# Altium PCB PCB-Relay-Board-V1.PcbDoc (part 4 of 5)
Units mil, origin at the board's own origin, x right, y up, seen from the top; angles counter-clockwise.
Board outline 6496.06 x 5078.74 mil, 8 copper layers (Top Layer, Inner1, Inner2, Inner3, Inner4, Inner5, Inner6, Bottom Layer), stack 59.685 mil thick; 429 components, 373 nets, 1663 pads, 713 vias.
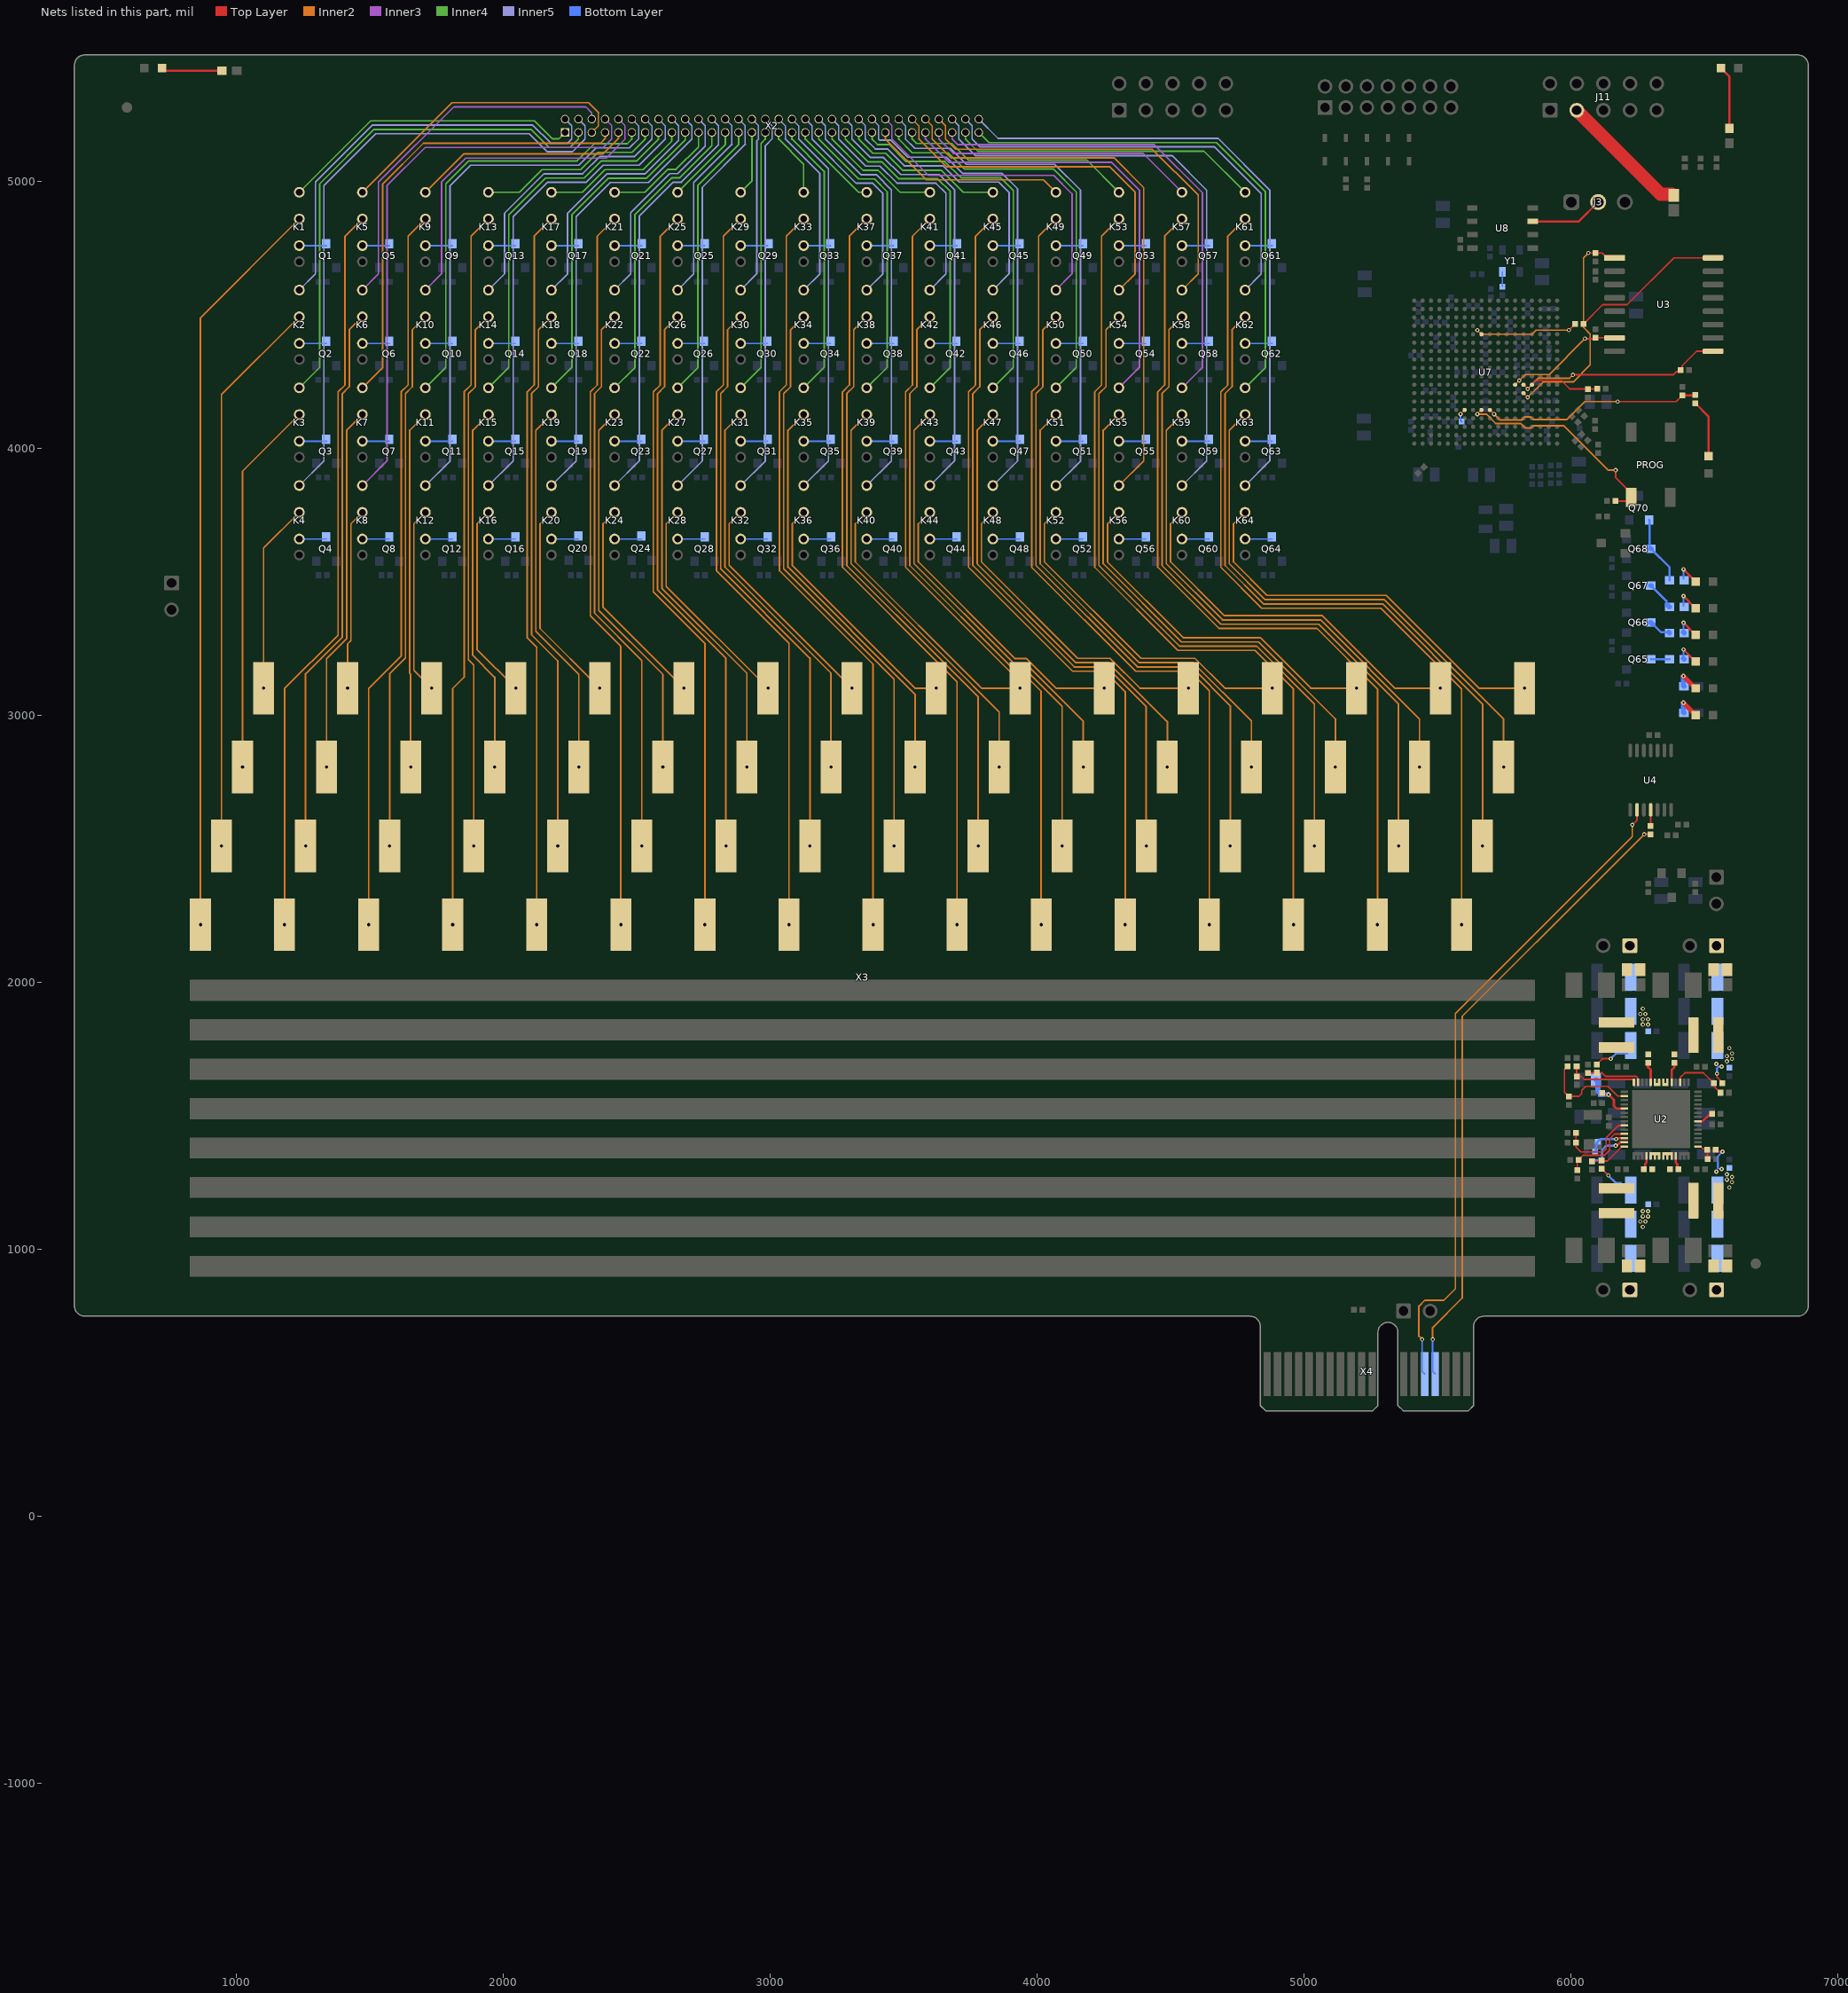
[diagram p10: the nets of this part, all layers, seen from the top]

## Via types
v1: diameter 15.75, hole 7.87, Top Layer to Bottom Layer, 631 vias
v2: diameter 27.56, hole 11.81, Top Layer to Bottom Layer, 82 vias

## Nets (pads, with @x,y where several pads share a name; then routed paths per layer and width w, separated by ;. In a path a pad name is that pad's centre, name@x,y a point inside that pad or via, vN(x,y) a via of type N, cw(c..) or ccw(c..) an arc to the next point about the centre after c; other vN are vias at no path point) (continued)
MISO_1: R102.1 X4.A15 | length 2378
  Top Layer w6: v1(6275.27,2553.15) R102.1@6299.21,2553.15
  Inner2 w6: v1(5482.42,661.25) 5482.42,705.52 5592.96,816.06 5592.96,1870.84 6147.48,2425.36 v1(6275.27,2553.15)
  Bottom Layer w6: v1(5482.42,661.25) 5482.42,541.2 X4.A15@5492.13,531.5
MOSI_1: U4.9 X4.A14 | length 2502.4
  Top Layer w6: v1(6230.31,2588.58) 6248.03,2606.3 U4.9@6248.03,2644.69
  Inner2 w6: v1(5443.05,661.25) 5430.95,673.36 5430.95,785.8 5452.84,807.7 5524.11,807.7 5567.44,851.02 5567.44,1881.41 6129.43,2443.4 6230.31,2544.28 v1(6230.31,2588.58)
  Bottom Layer w6: v1(5443.05,661.25) 5443.05,541.2 X4.A14@5452.76,531.5
NetC5_1: C5.1 U2.38 | length 67.1
  Top Layer w8.66: C5.1@6289.37,1687.01 6289.37,1681.11 6299.21,1671.26 U2.38@6299.21,1624.02
NetC5_2: C5.2 L2.1 U2.36
NetC11_1: C11.1 C12.1 C13.1 C14.1 J1.1 J2.1 L2.2 R44.2 TP1.1 | length 133.9
  Top Layer w6: R44.2@6103.99,1698.16 6118.42,1712.6 v1(6149.77,1712.6)
  Top Layer w8: R44.2@6094.89,1689.06 6094.89,1689.29 6103.76,1698.16 R44.2@6103.99,1698.16
  Bottom Layer w8: v1(6149.77,1712.6) 6169.45,1732.28 C14.1@6210.79,1732.28
  other v1: 6269.69,1840.55 6289.37,1840.55 6269.69,1860.24 6289.37,1860.24 6259.84,1879.92 6279.53,1879.92 6269.69,1899.61
NetC19_1: C19.1 U2.33 | length 67.1
  Top Layer w8.66: U2.33@6377.95,1624.02 6377.95,1670.28 6387.8,1680.12 C19.1@6387.8,1687.01
NetC19_2: C19.2 L3.1 U2.34
NetC23_1: C23.1 C24.1 C25.1 C26.1 J4.1 J5.1 L3.2 R71.2 TP2.1 | length 71.8
  Top Layer w6: v1(6547.5,1656.57) 6547.5,1644.72 R71.2@6568.94,1623.29
  Bottom Layer w8: v1(6547.5,1656.57) 6547.5,1675.46 6555.12,1683.07
  other v1: 6564.96,1683.07 6545.28,1692.91 6584.65,1702.76 6604.33,1712.6 6584.65,1722.44 6604.33,1732.28 6594.49,1751.97
NetC30_1: C30.1 C31.1 R72.1 U2.47 | length 211.5
  Top Layer w8.66: C31.1@6118.11,1584.65 6124.58,1578.18 v1(6141.6,1578.18) 6161.42,1558.37 6161.42,1535.43 6171.26,1525.59 U2.47@6200.79,1525.59
  Bottom Layer w16: R72.1@6112.2,1580.71 6114.73,1578.18 v1(6141.6,1578.18)
  Bottom Layer w20: C30.1@6094.49,1633.86 6101.58,1626.76 6101.58,1591.33 R72.1@6112.2,1580.71
NetC33_1: C33.1 U2.21 | length 64.6
  Top Layer w8.66: U2.21@6476.38,1478.35 6493.4,1478.35 6514.46,1499.41 6523.03,1499.41 C33.1@6529.53,1505.91
NetC34_1: C34.1 U2.11 | length 53.3
  Top Layer w8.66: U2.11@6393.7,1348.43 6393.7,1322.83 6399.08,1317.45 6399.08,1303.67 C34.1@6403.54,1299.21
NetC34_2: C34.2 L4.1 U2.8
NetC38_1: C38.1 C39.1 C40.1 C41.1 J6.1 J7.1 L4.2 R80.2 TP3.1 | length 119
  Top Layer w6: R80.2@6542.68,1368.3 R80.2@6546.61,1364.37 ; R80.2@6542.71,1372.01 6550.35,1364.37 v1(6568.25,1364.37)
  Bottom Layer w6: 6550.3,1303.45 6553.82,1299.93 6564.24,1299.93 v1(6564.96,1299.21) ; 6550.3,1323.92 6550.3,1346.42 v1(6568.25,1364.37)
  Bottom Layer w8: 6550.3,1303.45 6550.3,1323.92
  other v1: 6594.49,1230.31 6604.33,1250 6584.65,1259.84 6604.33,1269.68 6584.65,1279.53 6545.28,1289.37
NetC43_1: C43.1 U2.4 | length 53.3
  Top Layer w8.66: C43.1@6273.62,1299.21 6278.08,1303.67 6278.08,1317.45 6283.46,1322.83 U2.4@6283.46,1348.43
NetC43_2: C43.2 L5.1 U2.5
NetC47_1: C47.1 R86.2 U2.54 | length 144.2
  Top Layer w8: v1(6169.57,1411.1) 6169.57,1414.1 6170.82,1415.35 U2.54@6200.79,1415.35
  Bottom Layer w8: C47.1@6100.02,1400.85 6110.28,1411.1 v1(6169.57,1411.1)
  Bottom Layer w10: R86.2@6090.76,1364.83 6095.42,1369.5 6095.42,1395.02 6096.75,1396.35 C47.1@6098.43,1396.35
NetC48_1: C48.1 R87.2 U2.55 | length 167.6
  Top Layer w8: v1(6167.99,1387.06) 6167.99,1384.03 6168.54,1383.48 6184.33,1399.28 6200.46,1399.28 U2.55@6200.79,1399.61
  Bottom Layer w8: C48.1@6117.47,1334.6 6117.47,1371.38 6133.15,1387.06 v1(6167.99,1387.06)
  Bottom Layer w10: R87.2@6082.1,1329.66 6083.09,1330.65 C48.1@6112.76,1330.65
NetC49_1: C49.1 C50.1 C51.1 C52.1 J8.1 J9.1 L5.2 R85.2 TP4.1 | length 93.3
  Top Layer w6: R85.2@6116.06,1299.61 v1(6140.26,1275.41)
  Bottom Layer w8: v1(6140.26,1275.41) 6167.65,1248.01 6187.95,1248.01
  other v1: 6269.69,1082.68 6259.84,1102.36 6279.53,1102.36 6269.69,1122.05 6289.37,1122.05 6269.69,1141.73 6289.37,1141.73
NetD1_2: D1.2 R92.2 | length 102.4
  Top Layer w8: v1(6422.05,3245.47) D1.2@6467.52,3200
  Bottom Layer w8: R92.2@6422.05,3211.81 v1(6422.05,3245.47)
  Bottom Layer w18.5: R92.2@6422.05,3211.81 R92.2@6425.2,3208.66
NetD2_2: D2.2 R93.2 | length 104
  Top Layer w8: v1(6422.05,3345.47) D2.2@6467.52,3300
  Bottom Layer w8: R93.2@6422.05,3310.24 v1(6422.05,3345.47)
  Bottom Layer w18.5: R93.2@6422.05,3310.24 R93.2@6425.2,3307.09
NetD3_2: D3.2 R94.2 | length 99.5
  Top Layer w8: v1(6422.05,3445.47) D3.2@6467.52,3400
  Bottom Layer w8: R94.2@6422.05,3410.24 v1(6422.05,3445.47)
NetD4_2: D4.2 R95.2 | length 99.5
  Top Layer w8: v1(6422.05,3545.47) D4.2@6467.52,3500
  Bottom Layer w8: R95.2@6422.05,3510.24 v1(6422.05,3545.47)
NetD5_1: D5.1 R103.1 | length 239.8
  Top Layer w8: D5.1@6562.01,5423.23 6594.49,5390.75 R103.1@6594.49,5196.85
NetD6_1: D6.1 R104.1 | length 225.4
  Top Layer w8: D6.1@721.46,5413.39 R104.1@946.85,5413.39
NetD12_2: D12.2 R125.2 | length 102.6
  Top Layer w18.5: v1(6422.05,3145.47) D12.2@6467.52,3100
  Bottom Layer w18.5: v1(6422.05,3145.47) 6422.05,3109.82 R125.2@6423.93,3107.93
NetD13_2: D13.2 R126.2 | length 102.4
  Top Layer w18.5: v1(6422.05,3045.47) D13.2@6467.52,3000
  Bottom Layer w18.5: v1(6422.05,3045.47) 6422.05,3010.03 R126.2@6423.93,3008.14
NetDONE_1: DONE.1 R108.2 | length 218.2
  Top Layer w8: R108.2@6466.54,4167.32 6515.75,4118.11 DONE.1@6515.75,3969.49
NetJ3_2: J3.2 U8.3 | length 275.4
  Top Layer w8: U8.3@5857.08,4848.65 6029.76,4848.65 J3.2@6102.36,4921.26
NetJ11_3: J11.3 J12.2 | length 487.3
  Top Layer w50: J11.3@6022.05,5264.96 6336.49,4950.52 J12.2@6379.12,4950.52
NetK1_2: K1.2 Q1.3 | length 101
  Bottom Layer w6: K1.2@1236.28,4757.87 Q1.3@1337.25,4757.87
NetK1_3: K1.3 X3.1 | length 2796.6
  Inner2 w6: v2(866.14,2214.57) 866.14,4487.73 K1.3@1236.28,4857.87
NetK1_4: K1.4 X2.1 | length 1144.5
  Inner4 w6: K1.4@1236.28,4957.87 1503.57,5225.17 2117.35,5225.17 2184.89,5157.63 2207.89,5157.63 X2.1@2232.06,5181.8
NetK2_2: K2.2 Q2.3 | length 101
  Bottom Layer w6: K2.2@1236.28,4391.65 Q2.3@1337.25,4391.65
NetK2_3: K2.3 X3.2 | length 2102.5
  Inner2 w6: v2(944.88,2509.84) 944.88,4200.25 K2.3@1236.28,4491.65
NetK2_4: K2.4 X2.2 | length 1597.2
  Inner5 w5: X2.2@2232.06,5231.8 2257.06,5206.8 2257.06,5157.29
  Inner5 w6: K2.4@1236.28,4591.65 1296.76,4652.13 1296.76,4995.72 1510.2,5209.17 2110.73,5209.17 2178.26,5141.63 2241.4,5141.63 2257.06,5157.29
NetK3_2: K3.2 Q3.3 | length 101
  Bottom Layer w6: K3.2@1236.28,4025.43 Q3.3@1337.25,4025.43
NetK3_3: K3.3 X3.3 | length 1408.4
  Inner2 w6: v2(1023.62,2805.12) 1023.62,3912.77 K3.3@1236.28,4125.43
NetK3_4: K3.4 X2.3 | length 1915
  Inner4 w6: K3.4@1236.28,4225.43 1312.76,4301.91 1312.76,4989.09 1516.83,5193.17 2104.1,5193.17 2171.63,5125.63 2250.85,5125.63 2282.06,5156.84 X2.3@2282.06,5181.8
NetK4_2: K4.2 Q4.3 | length 101
  Bottom Layer w6: K4.2@1236.28,3659.21 Q4.3@1337.25,3659.21
NetK4_3: K4.3 X3.4 | length 714.3
  Inner2 w6: v2(1102.36,3100.39) 1102.36,3625.29 K4.3@1236.28,3759.21
NetK4_4: K4.4 X2.4 | length 2353.1
  Inner5 w5: X2.4@2282.06,5231.8 2307.06,5206.8 2307.06,5157.29
  Inner5 w6: K4.4@1236.28,3859.21 1328.76,3951.69 1328.76,4982.47 1523.46,5177.17 2097.47,5177.17 2165.01,5109.63 2259.4,5109.63 2307.06,5157.29
NetK5_2: K5.2 Q5.3 | length 101
  Bottom Layer w6: K5.2@1472.5,4757.87 Q5.3@1573.47,4757.87
NetK5_3: K5.3 X3.5 | length 2764
  Inner2 w6: v2(1181.1,2214.57) 1181.1,3098.5 1381.59,3298.99 1381.59,4210.04 1407.67,4236.12 1407.67,4793.04 K5.3@1472.5,4857.87
NetK5_4: K5.4 X2.5 | length 1124.1
  Inner2 w5: X2.5@2332.06,5181.8 2357.06,5206.8 2357.06,5256.31
  Inner2 w6: K5.4@1472.5,4957.87 1808.42,5293.79 2319.59,5293.79 2357.06,5256.31
NetK6_2: K6.2 Q6.3 | length 101
  Bottom Layer w6: K6.2@1472.5,4391.65 Q6.3@1573.47,4391.65
NetK6_3: K6.3 X3.6 | length 2069.9
  Inner2 w6: v2(1259.84,2509.84) 1259.84,3154.61 1397.59,3292.36 1397.59,4203.41 1423.67,4229.49 1423.67,4442.82 K6.3@1472.5,4491.65
NetK6_4: K6.4 X2.6 | length 1377.9
  Inner3 w6: K6.4@1472.5,4591.65 1532.98,4652.13 1532.98,4995.72 1815.04,5277.79 2309.72,5277.79 2332.06,5255.45 X2.6@2332.06,5231.8
NetK7_2: K7.2 Q7.3 | length 101
  Bottom Layer w6: K7.2@1472.5,4025.43 Q7.3@1573.47,4025.43
NetK7_3: K7.3 X3.7 | length 1375.8
  Inner2 w6: v2(1338.58,2805.12) 1338.58,3210.73 1413.59,3285.73 1413.59,4066.52 K7.3@1472.5,4125.43
NetK7_4: K7.4 X2.7 | length 1721.5
  Inner2 w6: K7.4@1472.5,4225.43 1548.98,4301.91 1548.98,4989.09 1701.33,5141.44 2364.39,5141.44 2382.06,5159.12 X2.7@2382.06,5181.8
NetK8_2: K8.2 Q8.3 | length 101
  Bottom Layer w6: K8.2@1472.5,3659.21 Q8.3@1573.47,3659.21
NetK8_3: K8.3 X3.8 | length 681.7
  Inner2 w6: v2(1417.32,3100.39) 1417.32,3266.84 1429.59,3279.11 1429.59,3716.3 K8.3@1472.5,3759.21
NetK8_4: K8.4 X2.8 | length 2160.9
  Inner3 w5: X2.8@2382.06,5231.8 2407.06,5206.8 2407.06,5157.29
  Inner3 w6: K8.4@1472.5,3859.21 1564.98,3951.69 1564.98,4982.47 1707.95,5125.44 2375.21,5125.44 2407.06,5157.29
NetK9_2: K9.2 Q9.3 | length 101
  Bottom Layer w6: K9.2@1708.72,4757.87 Q9.3@1809.69,4757.87
NetK9_3: K9.3 X3.9 | length 2731.4
  Inner2 w6: v2(1496.06,2214.57) 1496.06,3098.5 1617.81,3220.25 1617.81,4210.04 1643.89,4236.12 1643.89,4793.04 K9.3@1708.72,4857.87
NetK9_4: K9.4 X2.9 | length 829.4
  Inner2 w6: K9.4@1708.72,4957.87 1852.96,5102.11 2375.05,5102.11 2432.06,5159.12 X2.9@2432.06,5181.8
NetK10_2: K10.2 Q10.3 | length 101
  Bottom Layer w6: K10.2@1708.72,4391.65 Q10.3@1809.69,4391.65
NetK10_3: K10.3 X3.10 | length 2037.3
  Inner2 w6: v2(1574.8,2509.84) 1574.8,3154.61 1633.81,3213.62 1633.81,4203.41 1659.89,4229.49 1659.89,4442.82 K10.3@1708.72,4491.65
NetK10_4: K10.4 X2.10 | length 1268.8
  Inner3 w5: X2.10@2432.06,5231.8 2457.06,5206.8 2457.06,5157.29
  Inner3 w6: K10.4@1708.72,4591.65 1769.2,4652.13 1769.2,4995.72 1859.58,5086.11 2385.88,5086.11 2457.06,5157.29
NetK11_2: K11.2 Q11.3 | length 101
  Bottom Layer w6: K11.2@1708.72,4025.43 Q11.3@1809.69,4025.43
NetK11_3: K11.3 X3.11 | length 1346.3
  Inner2 w6: v2(1653.54,2805.12) 1653.54,3153.07 1649.81,3156.81 1649.81,4066.52 K11.3@1708.72,4125.43
NetK11_4: K11.4 X2.11 | length 1586.6
  Inner4 w6: K11.4@1708.72,4225.43 1785.2,4301.91 1785.2,4989.09 1871.65,5075.55 2277.33,5075.55 2341.52,5139.74 2464.96,5139.74 2482.06,5156.84 X2.11@2482.06,5181.8
NetK12_2: K12.2 Q12.3 | length 101
  Bottom Layer w6: K12.2@1708.72,3659.21 Q12.3@1809.69,3659.21
NetK12_3: K12.3 X3.12 | length 704.1
  Inner2 w6: K12.3@1708.72,3759.21 1665.81,3716.3 1665.81,3166.87 v2(1732.28,3100.39)
NetK12_4: K12.4 X2.12 | length 2109.6
  Inner5 w5: 2507.06,5206.8 2507.06,5157.29 2507.06,5206.8 ; 2507.06,5206.8 X2.12@2482.06,5231.8 2507.06,5206.8
  Inner5 w6: K12.4@1708.72,3859.21 1801.2,3951.69 1801.2,4982.47 1878.28,5059.55 2283.96,5059.55 2348.15,5123.74 2473.52,5123.74 2507.06,5157.29
NetK13_2: K13.2 Q13.3 | length 101
  Bottom Layer w6: K13.2@1944.94,4757.87 Q13.3@2045.91,4757.87
NetK13_3: K13.3 X3.13 | length 2698.8
  Inner2 w6: v2(1811.02,2214.57) 1811.02,3098.5 1854.03,3141.51 1854.03,4210.04 1880.11,4236.12 1880.11,4793.04 K13.3@1944.94,4857.87
NetK13_4: K13.4 X2.13 | length 694.5
  Inner4 w6: K13.4@1944.94,4957.87 2060.7,4957.87 2145.73,5042.9 2290.61,5042.9 2355.05,5107.35 2482.57,5107.35 2532.06,5156.84 X2.13@2532.06,5181.8
NetK14_2: K14.2 Q14.3 | length 101
  Bottom Layer w6: K14.2@1944.94,4391.65 Q14.3@2045.91,4391.65
NetK14_3: K14.3 X3.14 | length 2021
  Inner2 w6: v2(1889.76,2509.84) 1889.76,3186.96 1870.03,3206.69 1870.03,4203.41 1896.11,4229.49 1896.11,4442.82 K14.3@1944.94,4491.65
NetK14_4: K14.4 X2.14 | length 1100.1
  Inner5 w5: 2557.06,5157.29 2557.06,5206.8 ; 2557.06,5206.8 X2.14@2532.06,5231.8 2557.06,5206.8
  Inner5 w6: K14.4@1944.94,4591.65 2005.42,4652.13 2005.42,4879.96 2152.35,5026.9 2297.23,5026.9 2361.68,5091.35 2491.12,5091.35 2557.06,5157.29
NetK15_2: K15.2 Q15.3 | length 101
  Bottom Layer w6: K15.2@1944.94,4025.43 Q15.3@2045.91,4025.43
NetK15_3: K15.3 X3.15 | length 1378.9
  Inner2 w6: K15.3@1944.94,4125.43 1886.03,4066.52 1886.03,3223.55 1968.5,3141.08 v2(1968.5,2805.12)
NetK15_4: K15.4 X2.15 | length 1382.6
  Inner4 w6: K15.4@1944.94,4225.43 2021.42,4301.91 2021.42,4873.34 2158.98,5010.9 2303.86,5010.9 2368.31,5075.35 2500.57,5075.35 2582.06,5156.84 X2.15@2582.06,5181.8
NetK16_2: K16.2 Q16.3 | length 101
  Bottom Layer w6: K16.2@1944.94,3659.21 Q16.3@2045.91,3659.21
NetK16_3: K16.3 X3.16 | length 736.7
  Inner2 w6: K16.3@1944.94,3759.21 1902.03,3716.3 1902.03,3245.61 v2(2047.24,3100.39)
NetK16_4: K16.4 X2.16 | length 1905.5
  Inner5 w5: 2607.06,5206.8 2607.06,5157.29 2607.06,5206.8 ; 2607.06,5206.8 X2.16@2582.06,5231.8 2607.06,5206.8
  Inner5 w6: K16.4@1944.94,3859.21 2037.42,3951.69 2037.42,4866.71 2165.61,4994.9 2310.49,4994.9 2374.94,5059.35 2509.12,5059.35 2607.06,5157.29
NetK17_2: K17.2 Q17.3 | length 101
  Bottom Layer w6: K17.2@2181.17,4757.87 Q17.3@2282.13,4757.87
NetK17_3: K17.3 X3.17 | length 2695.8
  Inner2 w6: v2(2125.98,2214.57) 2125.98,3253.27 2090.25,3289.01 2090.25,4210.04 2116.33,4236.12 2116.33,4793.04 K17.3@2181.17,4857.87
NetK17_4: K17.4 X2.17 | length 562.3
  Inner4 w6: K17.4@2181.17,4957.87 2296.92,4957.87 2381.49,5042.45 2524.62,5042.45 2632.06,5149.89 X2.17@2632.06,5181.8
NetK18_2: K18.2 Q18.3 | length 101
  Bottom Layer w6: K18.2@2181.17,4391.65 Q18.3@2282.13,4391.65
NetK18_3: K18.3 X3.18 | length 2053.6
  Inner2 w6: K18.3@2181.17,4491.65 2132.33,4442.82 2132.33,4229.49 2106.25,4203.41 2106.25,3300.98 2204.72,3202.51 v2(2204.72,2509.84)
NetK18_4: K18.4 X2.18 | length 931.5
  Inner5 w5: X2.18@2632.06,5231.8 2657.06,5206.8 2657.06,5157.29
  Inner5 w6: K18.4@2181.17,4591.65 2241.64,4652.13 2241.64,4879.96 2388.12,5026.45 2531.24,5026.45 2657.06,5152.26 2657.06,5157.29
NetK19_2: K19.2 Q19.3 | length 101
  Bottom Layer w6: K19.2@2181.17,4025.43 Q19.3@2282.13,4025.43
NetK19_3: K19.3 X3.19 | length 1411.5
  Inner2 w6: K19.3@2181.17,4125.43 2122.25,4066.52 2122.25,3313.35 2283.46,3152.13 v2(2283.46,2805.12)
NetK19_4: K19.4 X2.19 | length 1247.7
  Inner4 w6: K19.4@2181.17,4225.43 2257.64,4301.91 2257.64,4873.34 2394.75,5010.45 2537.87,5010.45 2682.06,5154.64 X2.19@2682.06,5181.8
NetK20_2: K20.2 Q20.3 | length 101
  Bottom Layer w6: K20.2@2181.17,3659.21 Q20.3@2282.13,3659.21
NetK20_3: K20.3 X3.20 | length 769.4
  Inner2 w6: K20.3@2181.17,3759.21 2138.25,3716.3 2138.25,3324.35 v2(2362.2,3100.39)
NetK20_4: K20.4 X2.20 | length 1684.6
  Inner5 w5: X2.20@2682.06,5231.8 2707.06,5206.8 2707.06,5157.29
  Inner5 w6: K20.4@2181.17,3859.21 2273.64,3951.69 2273.64,4866.71 2401.37,4994.45 2544.5,4994.45 2707.06,5157.01 2707.06,5157.29
NetK21_2: K21.2 Q21.3 | length 101
  Bottom Layer w6: K21.2@2417.39,4757.87 Q21.3@2518.35,4757.87
NetK21_3: K21.3 X3.21 | length 2728.4
  Inner2 w6: K21.3@2417.39,4857.87 2352.55,4793.04 2352.55,4236.12 2326.47,4210.04 2326.47,3371.03 2440.94,3256.56 v2(2440.94,2214.57)
NetK21_4: K21.4 X2.21 | length 439
  Inner4 w6: K21.4@2417.39,4957.87 2531.67,4957.87 2617.55,5043.76 2647.87,5043.76 2732.06,5127.95 X2.21@2732.06,5181.8
NetK22_2: K22.2 Q22.3 | length 101
  Bottom Layer w6: K22.2@2417.39,4391.65 Q22.3@2518.35,4391.65
NetK22_3: K22.3 X3.22 | length 2086.2
  Inner2 w6: K22.3@2417.39,4491.65 2368.55,4442.82 2368.55,4229.49 2342.47,4203.41 2342.47,3381.31 2519.68,3204.1 v2(2519.68,2509.84)
NetK22_4: K22.4 X2.22 | length 809
  Inner5 w5: X2.22@2732.06,5231.8 2757.06,5206.8 2757.06,5157.29
  Inner5 w6: K22.4@2417.39,4591.65 2477.86,4652.13 2477.86,4881.44 2624.18,5027.76 2654.5,5027.76 2757.06,5130.32 2757.06,5157.29
NetK23_2: K23.2 Q23.3 | length 101
  Bottom Layer w6: K23.2@2417.39,4025.43 Q23.3@2518.35,4025.43
NetK23_3: K23.3 X3.23 | length 1444.1
  Inner2 w6: K23.3@2417.39,4125.43 2358.47,4066.52 2358.47,3391.74 2598.43,3151.79 v2(2598.43,2805.12)
NetK23_4: K23.4 X2.23 | length 1125.2
  Inner4 w6: K23.4@2417.39,4225.43 2493.86,4301.91 2493.86,4874.81 2630.81,5011.76 2661.13,5011.76 2782.06,5132.69 X2.23@2782.06,5181.8
NetK24_2: K24.2 Q24.3 | length 101
  Bottom Layer w6: K24.2@2417.39,3659.21 Q24.3@2518.35,3659.21
NetK24_3: K24.3 X3.24 | length 802
  Inner2 w6: K24.3@2417.39,3759.21 2374.47,3716.3 2374.47,3403.09 v2(2677.17,3100.39)